# Altium PCB GN-1846-E-V2.PcbDoc (part 3 of 8)
Units mil, origin at the board's own origin, x right, y up, seen from the top; angles counter-clockwise.
Board outline 3750.16 x 2671.81 mil, 4 copper layers (TOP, GND, POWER, BOTTOM), stack 40.359 mil thick; 456 components, 457 nets, 2346 pads, 1495 vias.
Unrouted connection lines stored in the file: 4.
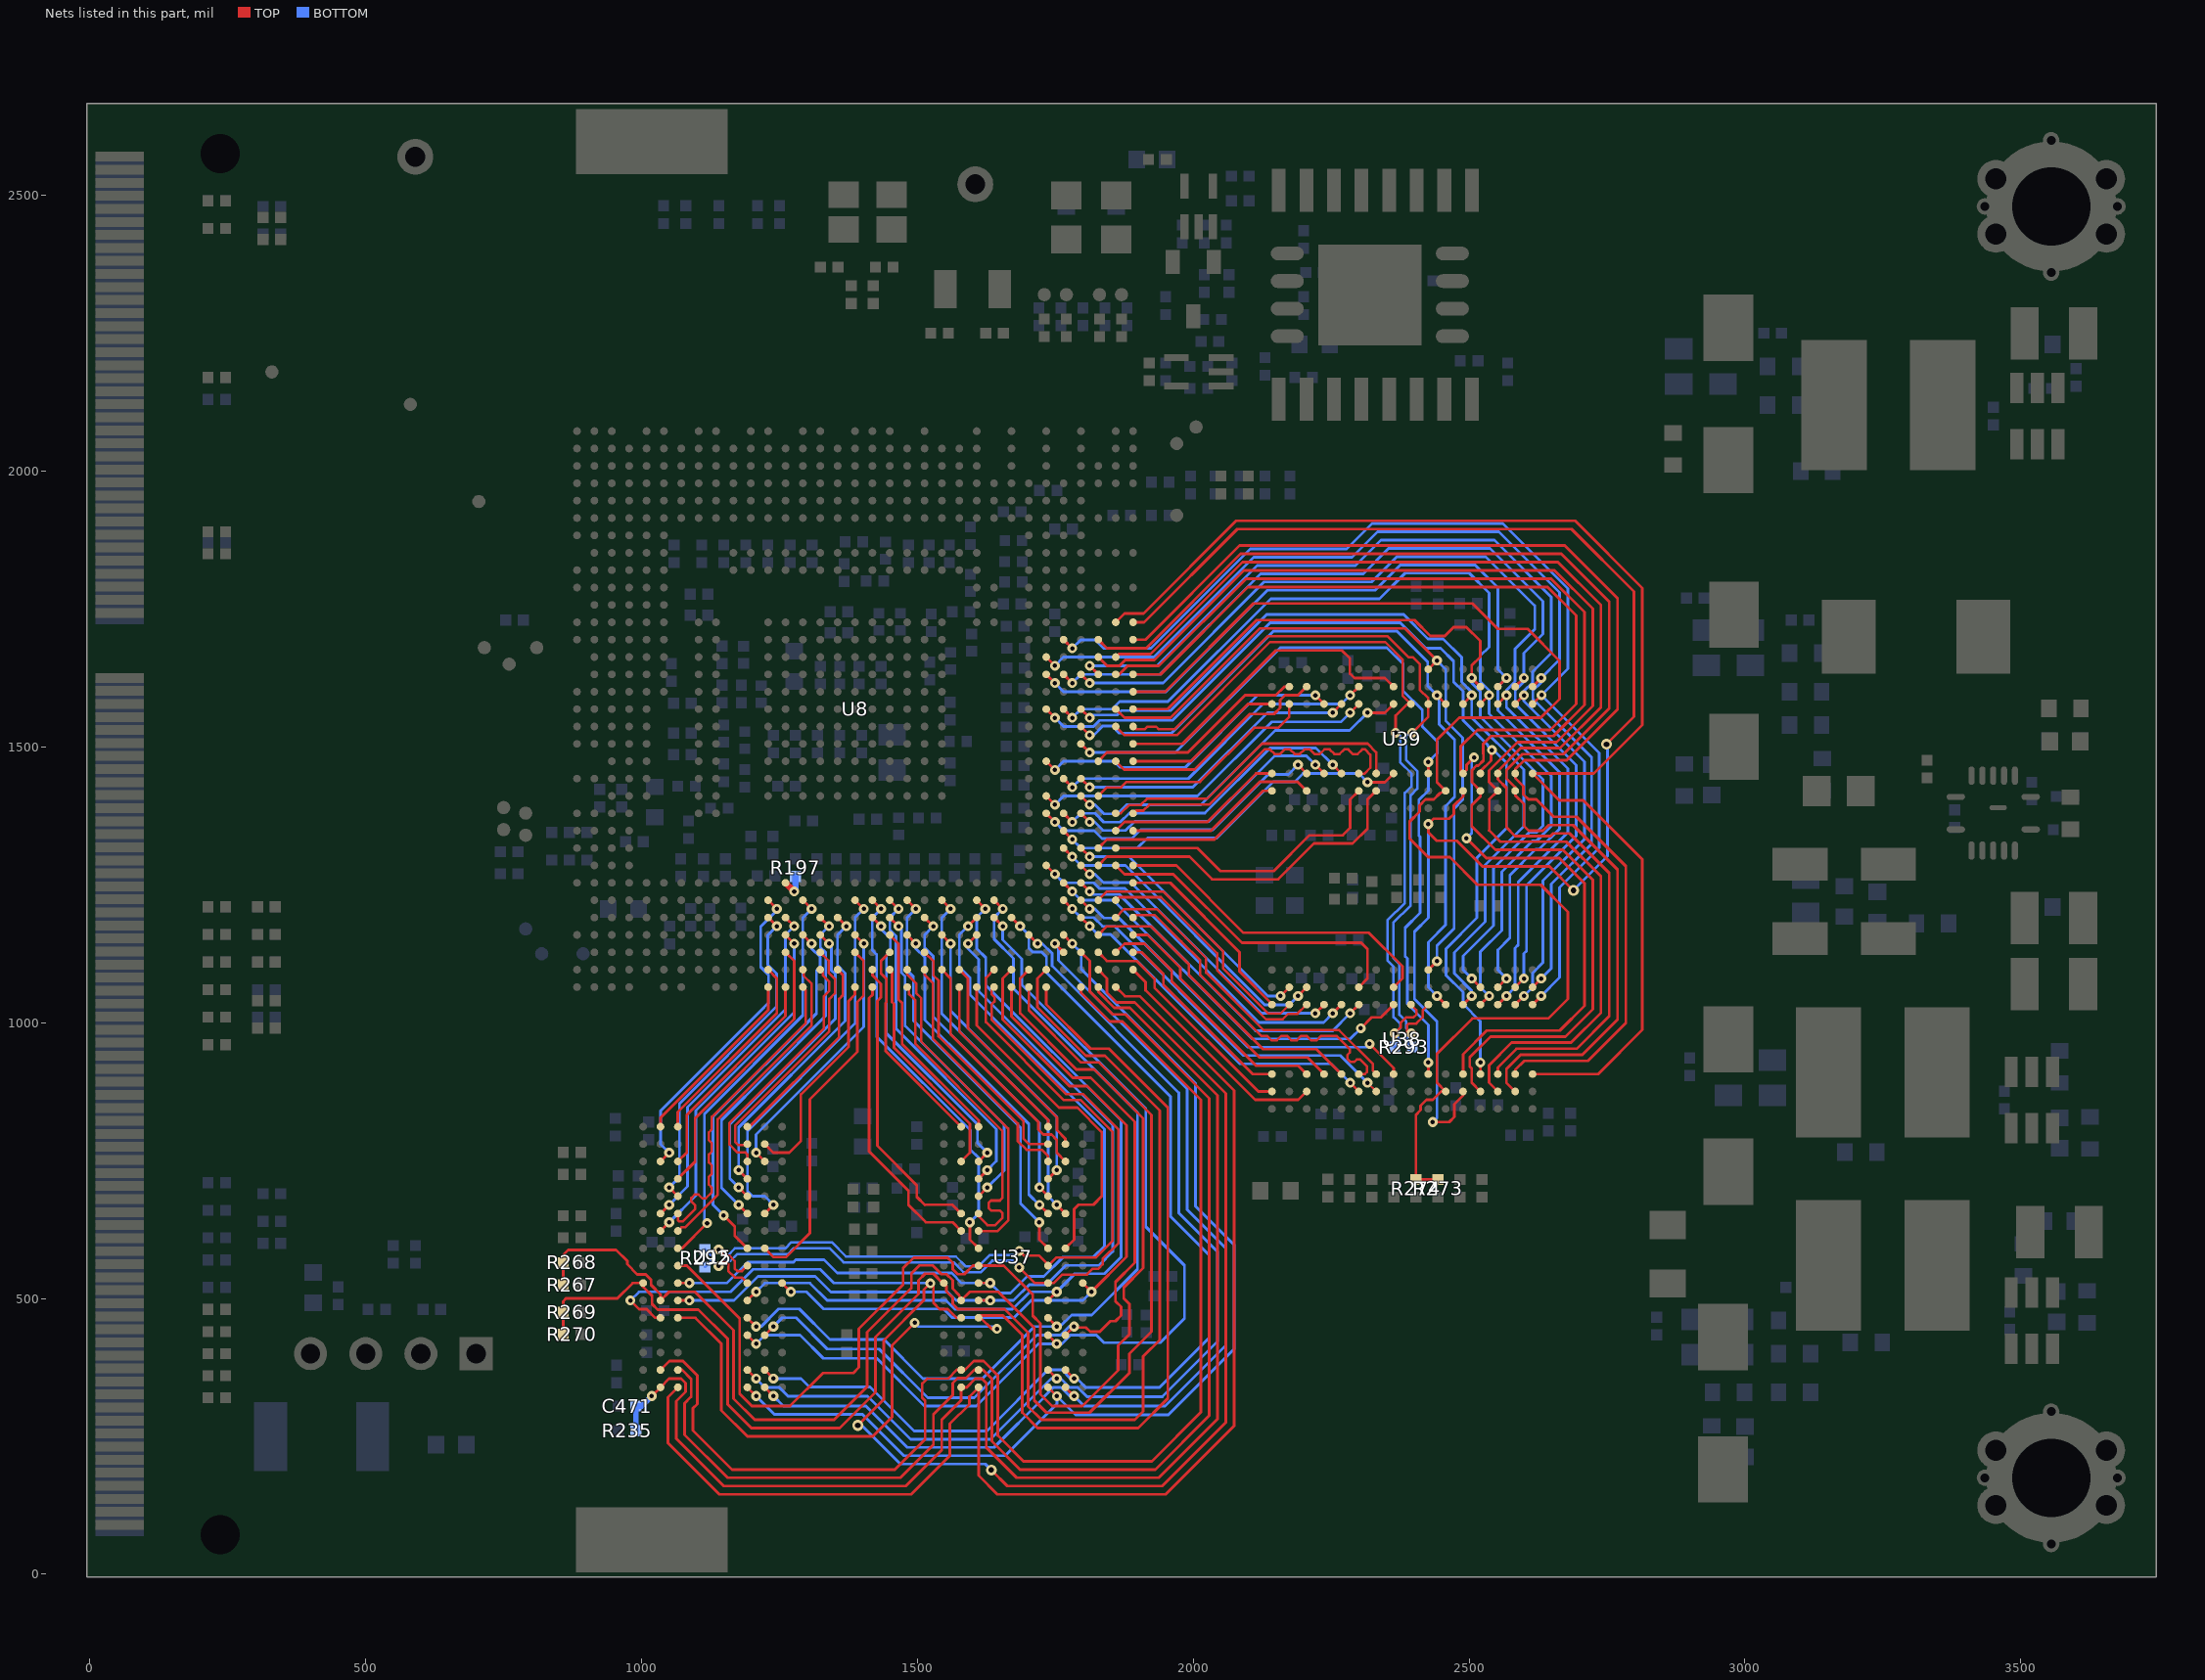
[diagram p5: the nets of this part, all layers, seen from the top]

## Via types
v1: diameter 18, hole 8, TOP to BOTTOM, 763 vias
v2: diameter 20, hole 10, TOP to BOTTOM, 451 vias
v3: diameter 16, hole 8, TOP to BOTTOM, 281 vias

## Nets (pads, with @x,y where several pads share a name; then routed paths per layer and width w, separated by ;. In a path a pad name is that pad's centre, name@x,y a point inside that pad or via, vN(x,y) a via of type N, cw(c..) or ccw(c..) an arc to the next point about the centre after c; other vN are vias at no path point) (continued)
DDR0_A6: U8.AF5 U15.R8 U37.R8 | length 1891.6
  TOP w5: U15.R8@1223.31,370.5 v1(1239.05,354.76) ; U8.AF5@1670.41,1190.6 v1(1686.15,1174.86) ; U37.R8@1768.31,370.5 v1(1784.05,354.76)
  BOTTOM w5: v1(1239.05,354.76) 1289.24,354.76 1304.28,339.72 1414.4,339.72 1494.12,260 1626.14,260 1736.58,370.44 1761.6,370.44 1777.28,354.76 v1(1784.05,354.76) 1789.23,354.76 1804.99,339 1939,339 1940.02,340.02 2029,428.78 2029,578.66 1959,648.66 1959,866 1734,1091 1734,1119 1725,1128 1724.08,1127.86 1711.22,1127.86 ; v1(1686.15,1174.86) 1702,1159.01 1702,1135 1709,1128 ; 1709,1128 1711.08,1128 1711.22,1127.86 ; 1709,1128 1711.22,1127.86
DDR0_A7: U8.AK1 U15.R2 U37.R2 | length 2334.9
  TOP w4: 1517.7,354.8 1555.85,355
  TOP w5: U15.R2@1034.33,370.5 1050.31,386.48 1074.82,386.48 1100.81,360.49 1100.81,308.81 1093,301 1093,261 1164,190 1459,190 1514,245 1514,315.02 1508.72,320.3 1508.72,345.73 1509.02,346.03 1517.7,354.8 ; 1555.85,355 1571.35,370.5 U37.R2@1579.33,370.5 1586.35,370.5 1602.33,386.48 1619.82,386.48 1645.81,360.49 1645.81,251.53 1692.34,205 1925.1,205 2014,293.9 2014,860 1872,1002 1849,1002 1796.4,1054.6 U8.AK1@1796.4,1064.61
DDR0_A8: U8.AJ3 U15.T8 U37.T8 | length 1886.9
  TOP w5: U15.T8@1223.31,339 v1(1239.05,323.26) ; v1(1749.16,1143.34) U8.AJ3@1764.9,1127.61 ; U37.T8@1768.31,339 v1(1784.05,323.26)
  BOTTOM w5: v1(1239.05,323.26) 1257.31,305 1406.68,305 1481.68,230 1639,230 1728.45,319.45 1728.45,320.54 1746.46,338.55 1759.48,338.55 1760.69,338.35 1775.78,323.26 v1(1784.05,323.26) 1802.13,305.18 1949.18,305.18 2059,415 2059,591.1 1989,661.1 1989,880 1755.75,1113.25 1755.75,1136.75 v1(1749.16,1143.34)
DDR0_A9: U8.AK3 U15.R3 U37.R3 | length 2377.2
  TOP w5: U15.R3@1065.83,370.5 1073.54,370.5 1089.83,354.21 1089.83,321.83 1078,310 1078,253 1156,175 1469,175 1529,235 1529,290.17 1563.83,325 1563.83,346.49 1572.82,355.48 1587.82,355.48 1602.84,370.5 U37.R3@1610.83,370.5 1618.54,370.5 1634.83,354.21 1634.83,241.29 1686.12,190 1931.32,190 2029,287.68 2029,862.99 1876.99,1015 1853.99,1015 1812.15,1056.84 1812.15,1111.86 U8.AK3@1796.4,1127.61
DDR0_A10: U8.AD6 U15.L7 U37.L7 | length 1539.6
  TOP w5: U15.L7@1191.81,496.48 v1(1207.57,512.22) ; U8.AD6@1607.42,1222.09 v1(1623.16,1206.35) ; U37.L7@1736.81,496.48 v1(1752.57,512.22)
  BOTTOM w5: v1(1207.57,512.22) 1223.33,527.98 1305.06,527.98 1336.46,496.58 1551.72,496.58 1567.81,480.49 1672.49,480.49 1704.22,512.22 v1(1752.57,512.22) 1785.35,545 1839,545 1869,575 1869,823 1624,1068 1624,1118.01 1607.68,1134.33 1607.68,1190.87 v1(1623.16,1206.35)
DDR0_A11: U8.AG4 U15.R7 U37.R7 | length 1911.6
  TOP w5: U15.R7@1191.81,370.5 v1(1207.57,354.74) ; U8.AG4@1701.91,1159.1 v1(1717.65,1143.36) ; U37.R7@1736.81,370.5 v1(1752.57,354.74)
  BOTTOM w5: v1(1207.57,354.74) 1223.29,339.02 1244.98,339.02 1245.04,338.96 1249.74,338.96 1265.7,323 1409.9,323 1487.9,245 1632.42,245 1742.16,354.74 v1(1752.57,354.74) 1760.3,354.74 1776.02,339.02 1789.98,339.02 ; v1(1717.65,1143.36) 1726.64,1143.36 1744,1126 1744,1103 1974,873 1974,654.88 2044,584.88 2044,422 1943.98,321.98 1807.54,321.98 1790.56,338.96 ; 1789.98,339.02 1790.56,338.96 ; 1789.98,339.02 1790.04,338.96 1790.56,338.96
DDR0_A12: U8.AE5 U15.N7 U37.N7 | length 1827.5
  TOP w5: U15.N7@1191.81,433.49 v1(1207.57,417.74) ; U8.AE5@1638.92,1190.6 v1(1654.66,1174.86) ; U37.N7@1736.81,433.49 v1(1752.57,417.74)
  BOTTOM w5: v1(1207.57,417.74) 1223.26,433.43 1245.56,433.43 1287.59,433.45 1329.56,391.48 1426.3,391.48 1512.78,305 1606.54,305 1719.28,417.74 v1(1752.57,417.74) 1761.74,417.74 1777.52,433.52 1824.52,433.52 1838.04,420 1940.34,420 1984,463.66 1984,560 1914,630 1914,844 1689,1069 1689,1115.85 1654.66,1150.19 v1(1654.66,1174.86)
DDR0_A13: U8.AM1 U15.T3 U37.T3 | length 2421.2
  TOP w5: U15.T3@1065.83,339 1048,321.17 1048,238 1141,145 1489,145 1559,215 1559,273 1594,308 1594,322.17 U37.T3@1610.83,339 1610.83,179.17 1645,145 1949.98,145 2074,269.02 2074,876.97 1902.97,1048 1876,1048 U8.AM1@1859.39,1064.61
DDR0_A14: U8.AJ4 U15.T7 U37.T7 | length 1951.4
  TOP w5: U15.T7@1191.81,339 v1(1207.57,323.24) ; U37.T7@1736.81,339 v1(1752.97,322.85) ; U8.AJ4@1764.9,1159.1 v1(1780.64,1143.36)
  BOTTOM w5: v1(1207.57,323.24) 1240.81,290 1400.46,290 1475.46,215 1659,215 1752.97,308.97 v1(1752.97,322.85) 1786.69,289.13 1954.87,289.13 2074,408.26 2074,597.32 2004,667.32 2004,890 1797,1097 1797,1127 v1(1780.64,1143.36)
DDR0_A15: U8.AE6 U15.M7 U37.M7 | length 1673.3
  TOP w5: U15.M7@1191.81,464.98 v1(1207.57,449.24) ; U8.AE6@1638.92,1222.09 v1(1654.66,1206.35) ; U37.M7@1736.81,464.98 v1(1752.57,449.24)
  BOTTOM w5: v1(1207.57,449.24) 1216.74,449.24 1248.52,481.02 1286.02,481.02 1341.56,425.48 1439.52,425.48 1510.2,354.8 1617.8,354.8 1712.24,449.24 v1(1752.57,449.24) 1758.58,449.24 1779.34,470 1815.98,470 1899,553.02 1899,837 1674,1062 1674,1116.7 1639,1151.7 1639,1190.69 v1(1654.66,1206.35)
DDR0_BA0: U8.AL2 U15.M2 U37.M2 | length 2753
  TOP w5: v1(979.83,496.49) 995.59,480.73 1009.27,480.73 1025.02,464.98 U15.M2@1034.33,464.98 ; v2(1392,270) 1439,317 1439,424 1511.98,496.98 1511.98,516.13 v1(1523.49,527.64) 1524,527.64 1529,522.64 1529,492 1540.27,480.73 1555.27,480.73 1571.02,464.98 U37.M2@1579.33,464.98 ; v2(1634,189) 1663,160 1943.76,160 2059,275.24 2059,871.99 1893.99,1037 1861.14,1037 1843.64,1054.5 1843.64,1080.36 U8.AL2@1827.89,1096.11
  BOTTOM w5: v1(979.83,496.49) 995.34,512 1080.33,512.18 1093.35,512.18 1161,512 1202.02,553.02 1324.02,553.02 1349.06,527.98 v1(1523.49,527.64) ; v2(1392,270) 1399.24,270 1469.24,200 1623,200 v2(1634,189)
DDR0_BA1: U8.AF1 U15.N8 U37.N8 | length 1536.3
  TOP w5: U15.N8@1223.31,433.49 v1(1239.07,449.24) ; U8.AF1@1670.41,1064.61 1670.41,1011.52 1781.93,900 1814.21,900 1894,820.21 1894,565 1859,530 1859,495 1869,485 1869,469 1859,459 1849.59,459 1830.59,440 1813.09,440 1805.6,447.49 1785.79,447.49 v1(1784,449.23) ; U37.N8@1768.31,433.49 v1(1784,449.23) ; v1(1784,449.23) v1(1784,449.23)
  BOTTOM w5: v1(1239.07,449.24) 1254.85,465.02 1280.02,465.02 1336.56,408.48 1430.52,408.48 1519,320 1603,320 1716.52,433.52 1759.52,433.52 1775.23,449.23 v1(1784,449.23) v1(1784,449.23)
DDR0_BA2: U8.AH1 U15.M3 U37.M3 | length 2336.3
  TOP w5: U15.M3@1065.83,464.98 1097.83,464.98 1144.81,418 1144.81,297.19 1192,250 1419,250 1454,285 1454,414.95 v1(1495,456) v1(1495,456) ; v1(1644,445) 1634.58,445 1614.6,464.98 U37.M3@1610.83,464.98 1614.83,468.98 1655,468.98 1689.81,434.17 1689.81,293.19 1718,265 1900.22,265 1954,318.78 1954,846.01 1847.01,953 1813.84,953 1733.39,1033.45 U8.AH1@1733.41,1064.61
  BOTTOM w5: v1(1495,456) 1501.72,449.28 1639.72,449.28 v1(1644,445)
DDR0_CAS_N: U8.AD5 U15.K3 U37.K3 | length 1589.3
  TOP w5: U15.K3@1065.83,527.98 v1(1086.84,527.98) ; v1(1591.67,1174.86) U8.AD5@1607.42,1190.6 ; U37.K3@1610.83,527.98 v1(1631.84,527.98)
  BOTTOM w5: v1(1086.84,527.98) 1154.18,527.98 1192.22,566.02 1275.42,566.02 1279.42,570.02 1331.02,570.02 1355.02,546.02 1562.02,546.02 1580.06,527.98 v1(1631.84,527.98) 1649.82,510 1669,510 1699,540 1729,540 1764,575 1819,575 1839,595 1839,807 1595,1051 1595,1082 1575.92,1101.08 1575.92,1159.11 v1(1591.67,1174.86)
DDR0_CKE: U8.AF2 U15.K9 U37.K9 | length 1356.8
  TOP w5: U15.K9@1254.8,527.98 v1(1270.55,512.24) ; U8.AF2@1670.41,1096.11 1654.67,1080.37 1654.67,1006.04 1775.71,885 1807.99,885 1879,813.99 1879,575.69 v1(1815.55,512.24) U37.K9@1799.8,527.98
  BOTTOM w5: v1(1270.55,512.24) 1298.8,512.24 1329.93,481.11 1547.19,481.11 1562.82,465.48 1675.48,465.48 1706.43,496.43 1799.74,496.43 v1(1815.55,512.24)
DDR0_CLK0_N: R292.2 U8.AE1 U15.K7 U37.K7 | length 1513.6
  TOP w4.5: v1(1139.58,558.72) 1147.34,566.48 1154.06,566.48 1157.33,563.21 1157.33,549.71 1169.06,537.98 1181.81,537.98 U15.K7@1191.81,527.98 ; U8.AE1@1638.92,1064.61 1634.5,1060.19 1634.5,1051.5 1639.56,1046.44 1639.56,1038.56 1634.5,1033.5 1634.5,1005.35 1769.6,870.25 1800.6,870.25 1864.5,806.35 1864.5,600.49 1835.82,571.81 1835.82,561.83 1828.08,554.09 1818.1,554.09 1807.49,543.48 1762.47,543.48 1746.97,527.98 U37.K7@1736.81,527.98 1712.82,527.98 v1(1684.58,556.22)
  BOTTOM w4.5: R292.2@1115.02,557.02 1126.02,568.02 1130.28,568.02 v1(1139.58,558.72) 1148.93,568.07 1160.96,568.07 1173.27,580.38 1264.97,580.38 1276.07,591.48 1340.27,591.48 1366.23,565.52 1565.53,565.52 1583.17,547.88 1615.17,547.88 1635.77,568.48 1672.32,568.48 v1(1684.58,556.22)
DDR0_CLK0_P: R292.1 U8.AE2 U15.J7 U37.J7 | length 1513.3
  TOP w4.5: v1(1139.58,588.72) 1150.32,577.98 1158.83,577.98 1168.83,567.98 1168.83,554.48 1173.83,549.48 1181.82,549.48 U15.J7@1191.81,559.47 ; U8.AE2@1638.92,1096.11 1624,1081.19 1624,1001 1765.25,859.75 1796.25,859.75 1854,802 1854,604.84 1823.64,574.48 1751.8,574.48 U37.J7@1736.81,559.47 1736.8,561.2 1719.98,578.02 1692.78,578.02 v1(1684.58,586.22)
  BOTTOM w4.5: R292.1@1115.02,589.02 1125.52,578.52 1129.38,578.52 v1(1139.58,588.72) 1149.73,578.57 1156.61,578.57 1168.92,590.88 1260.62,590.88 1271.72,601.98 1344.62,601.98 1370.58,576.02 1569.88,576.02 1587.52,558.38 1610.82,558.38 1631.42,578.98 1677.34,578.98 v1(1684.58,586.22)
DDR0_CS_N: R267.1 R268.2 U8.AG1 U15.L2 U37.L2 | length 2571.1
  TOP w4: 1050.08,512.23 1096.81,512.23
  TOP w5: R267.1@858,525 R268.2@858,565 858,579 867,588 954,588 974,568 974,562 992.28,543.72 1007.61,543.72 1017.34,533.99 1017.34,524.46 1034.33,507.47 U15.L2@1034.33,496.48 1050.08,512.23 ; 1096.81,512.23 1166.81,442.23 1166.81,318.41 1205.22,280 1349,280 1409,340 1409,438.96 1489,518.96 1489,545 1504,560 1527.51,560 1543.49,544.02 1552.79,544.02 1563.83,532.98 1563.83,517.98 1574.91,506.9 U37.L2@1579.33,496.48 1595.08,512.23 1646.77,512.23 1711.81,447.19 1711.81,315.18 1733.97,293.02 1812.02,293.02 1884,365 1884,400 1924,440 1924,833.01 1829.01,928 1796.37,928 1701.91,1022.46 U8.AG1@1701.91,1064.61
DDR0_DM0: U8.R4 U15.E7 | length 577.1
  TOP w5: v1(1176.08,701.21) U15.E7@1191.81,685.46 ; U8.R4@1323.96,1159.1 v1(1339.7,1143.36)
  BOTTOM w5: v1(1176.08,701.21) 1160.02,717.27 1160.02,816.16 1202.63,858.76 1351,1007.13 1351,1088.3 1344.3,1095 1344.3,1138.76 v1(1339.7,1143.36)
DDR0_DM1: U8.N3 U15.D3 | length 504.5
  TOP w5: U15.D3@1065.83,716.95 1097.02,748.13 1097.02,826.81 1276.72,1006.51 1276.72,1111.86 U8.N3@1260.97,1127.61
DDR0_DM2: U8.AA5 U37.E7 | length 610.7
  TOP w5: U8.AA5@1512.93,1190.6 v1(1528.67,1174.86) ; v1(1721.08,701.21) U37.E7@1736.81,685.46
  BOTTOM w5: v1(1528.67,1174.86) 1513.17,1159.36 1513.17,1136.13 1528.6,1120.7 1528.6,1010.92 1721.08,818.44 v1(1721.08,701.21)
DDR0_DM3: U8.W6 U37.D3 | length 611.4
  TOP w5: U8.W6@1449.94,1222.09 v1(1465.68,1206.35) ; U37.D3@1610.83,716.95 v1(1626.59,732.69)
  BOTTOM w5: v1(1465.68,1206.35) 1449.98,1190.65 1449.98,1168.17 1460.98,1157.17 1460.98,989.32 1643,807.3 1643,749.1 v1(1626.59,732.69)
DDR0_DQ0: U8.M5 U15.E3 | length 612.2
  TOP w5: v1(1050.1,701.21) U15.E3@1065.83,685.46 ; U8.M5@1229.47,1190.6 v1(1245.21,1174.86)
  BOTTOM w5: v1(1050.1,701.21) 1068.62,719.73 1068.62,853.3 1245,1029.68 1245,1089 1229,1105 1229,1158.65 v1(1245.21,1174.86)
DDR0_DQ1: U8.R5 U15.F7 | length 651.6
  TOP w5: v1(1176.06,669.71) U15.F7@1191.81,653.96 ; U8.R5@1323.96,1190.6 v1(1339.7,1174.86)
  BOTTOM w5: v1(1176.06,669.71) 1144.88,700.89 1144.88,823.46 1231.65,910.22 1334,1012.57 1334,1126.7 1324,1136.7 1324,1159.16 v1(1339.7,1174.86)
DDR0_DQ2: U8.N5 U15.F2 | length 643.6
  TOP w5: U15.F2@1034.33,653.96 v1(1050.08,669.69) ; U8.N5@1260.97,1190.6 v1(1276.7,1174.86)
  BOTTOM w5: v1(1050.08,669.69) 1083.62,703.23 1083.62,847.08 1261,1024.46 1261,1159.16 v1(1276.7,1174.86)
DDR0_DQ3: U8.U6 U15.F8 | length 701
  TOP w5: U15.F8@1223.31,653.96 v1(1239.06,669.71) ; U8.U6@1386.95,1222.09 v1(1402.69,1206.35)
  BOTTOM w5: v1(1239.06,669.71) 1223.26,685.51 1201.06,685.51 1191.87,694.7 1191.87,803.79 1386.98,998.9 1386.98,1190.64 v1(1402.69,1206.35)
DDR0_DQ4: U8.P6 U15.H3 | length 746.6
  TOP w5: U15.H3@1065.83,590.97 1073.31,590.97 v1(1118.82,636.48) ; U8.P6@1292.46,1222.09 v1(1308.2,1206.35)
  BOTTOM w5: v1(1118.82,636.48) 1113.82,641.48 1113.82,834.84 1292.2,1013.22 1292.2,1190.35 v1(1308.2,1206.35)
DDR0_DQ5: U8.U3 U15.H8 | length 662.1
  TOP w5: U15.H8@1223.31,590.97 1239.3,574.98 1261.32,574.98 1305.02,618.68 1305.02,861.02 1391,947 1391,1037.64 1402.36,1049 1402.36,1112.2 U8.U3@1386.95,1127.61
DDR0_DQ6: U8.N4 U15.G2 | length 643.6
  TOP w5: U15.G2@1034.33,622.46 v1(1050.08,638.19) ; U8.N4@1260.97,1159.1 v1(1276.7,1143.36)
  BOTTOM w5: v1(1050.08,638.19) 1098.62,686.73 1098.62,840.86 1276.7,1018.94 v1(1276.7,1143.36)
DDR0_DQ7: U8.P4 U15.H7 | length 687.5
  TOP w5: v1(1148.82,650.48) 1168.82,630.48 1168.82,613.97 U15.H7@1191.81,590.97 ; U8.P4@1292.46,1159.1 v1(1308.2,1143.36)
  BOTTOM w5: v1(1148.82,650.48) 1129.32,669.98 1129.32,829.12 1317,1016.8 1317,1094.3 1323.7,1101 1323.7,1119.1 1308.2,1134.6 v1(1308.2,1143.36)
DDR0_DQ8: U8.T5 U15.D7 | length 579
  TOP w5: v1(1176.06,732.7) U15.D7@1191.81,716.95 ; U8.T5@1355.45,1190.6 v1(1371.19,1174.86)
  BOTTOM w5: v1(1176.06,732.7) 1176.06,810.06 1369,1003 1369,1090 1355.2,1103.8 1355.2,1158.87 v1(1371.19,1174.86)
DDR0_DQ9: U8.N1 U15.C3 | length 397
  TOP w5: U15.C3@1065.83,748.45 1082.02,764.64 1082.02,833.03 1260.97,1011.98 U8.N1@1260.97,1064.61
DDR0_DQ10: U8.U4 U15.C8 | length 504.5
  TOP w5: v1(1207.57,764.2) U15.C8@1223.31,748.45 ; U8.U4@1386.95,1159.1 v1(1402.69,1143.36)
  BOTTOM w5: v1(1207.57,764.2) 1207.57,797.57 1402.69,992.69 v1(1402.69,1143.36)
DDR0_DQ11: U8.M6 U15.C2 | length 592.1
  TOP w5: U15.C2@1034.33,748.45 v1(1050.08,764.18) ; U8.M6@1229.47,1222.09 v1(1245.21,1206.35)
  BOTTOM w5: v1(1050.08,764.18) 1034.4,779.86 1034.4,840.3 1216,1021.91 1230,1035.91 1230,1087 1216,1101 1216,1174.4 1245.21,1203.7 v1(1245.21,1206.35)
DDR0_DQ12: U8.T2 U15.A7 | length 362.5
  TOP w5: U15.A7@1191.81,811.44 1195.44,811.44 1358,974 1358,1043 1365,1050 1365,1086.56 U8.T2@1355.45,1096.11
DDR0_DQ13: U8.M1 U15.A2 | length 334
  TOP w5: U15.A2@1034.33,811.44 1034.33,827.78 1229.47,1022.92 U8.M1@1229.47,1064.61
DDR0_DQ14: U8.U1 U15.B8 | length 400.4
  TOP w5: U15.B8@1223.31,779.94 1238.82,764.43 1267.77,764.43 1288.82,785.48 1288.82,869.83 1375,956.01 1375,1039 1386.95,1050.95 U8.U1@1386.95,1064.61
DDR0_DQ15: U8.M2 U15.A3 | length 365.5
  TOP w5: U15.A3@1065.83,811.44 1065.83,838.06 1245.22,1017.45 1245.22,1080.36 U8.M2@1229.47,1096.11
DDR0_DQ16: U8.W5 U37.E3 | length 610
  TOP w5: U8.W5@1449.94,1190.6 v1(1465.68,1174.86) ; U37.E3@1610.83,685.46 v1(1626.57,701.2)
  BOTTOM w5: v1(1465.68,1174.86) 1470.98,1169.56 1470.98,1090.85 1477.74,1084.09 1477.74,994.3 1657.02,815.02 1657.02,731.65 v1(1626.57,701.2)
DDR0_DQ17: U8.Y4 U37.F7 | length 610.9
  TOP w5: U8.Y4@1481.44,1159.1 v1(1497.18,1143.36) ; v1(1721.08,669.71) U37.F7@1736.81,653.96
  BOTTOM w5: v1(1497.18,1143.36) 1497.18,1134.52 1513.4,1118.3 1513.4,1004.88 1598.18,920.1 1702.02,816.27 1702.02,688.77 v1(1721.08,669.71)
DDR0_DQ18: U8.V2 U37.F2 | length 543.6
  TOP w4.5: 1513.28,669.72 1563.57,669.72
  TOP w5: U8.V2@1418.45,1096.11 1418.45,1085.91 1433.86,1070.5 1433.86,1046 1427.36,1039.5 1427.36,776.64 1498.82,705.18 1498.82,684.18 1513.28,669.72 ; 1563.57,669.72 U37.F2@1579.33,653.96
DDR0_DQ19: U8.AB6 U37.F8 | length 674.1
  TOP w5: U8.AB6@1544.43,1222.09 v1(1560.17,1206.35) ; v1(1752.58,669.71) U37.F8@1768.31,653.96
  BOTTOM w5: v1(1560.17,1206.35) 1544.17,1190.35 1544.17,1016.57 1736.85,823.89 1736.85,685.44 v1(1752.58,669.71)
DDR0_DQ20: U8.V6 U37.H3 | length 737.1
  TOP w5: U8.V6@1418.45,1222.09 v1(1434.18,1206.35) ; v1(1595.09,638.21) 1595.09,606.71 U37.H3@1610.83,590.97
  BOTTOM w5: v1(1434.18,1206.35) 1418.19,1190.36 1418.19,1131.79 1426.02,1123.96 1426.02,975.02 1596.02,805.02 1596.02,770.02 1610.89,755.15 1610.89,654.01 v1(1595.09,638.21)
DDR0_DQ21: U8.AD1 U37.H8 | length 630
  TOP w5: U8.AD1@1607.42,1064.61 1607.42,995.24 1756.66,846 1789.99,846 1834,801.99 1834,685 1819.02,670.02 1792.02,670.02 1784,662 1784,606.66 U37.H8@1768.31,590.97
DDR0_DQ22: U8.V1 U37.G2 | length 542.1
  TOP w4.5: 1515.32,638.22 1563.57,638.22
  TOP w5: U8.V1@1418.45,1064.61 1418.45,1050.59 1412.36,1044.5 1412.36,766.64 1483.82,695.18 1483.82,669.72 1515.32,638.22 ; 1563.57,638.22 U37.G2@1579.33,622.46
DDR0_DQ23: U8.Y6 U37.H7 | length 750.2
  TOP w5: U8.Y6@1481.44,1222.09 v1(1497.18,1206.35) ; v1(1721.04,638.2) 1721.04,606.74 U37.H7@1736.81,590.97
  BOTTOM w5: v1(1497.18,1206.35) 1481.18,1190.35 1481.18,1094.8 1492.74,1083.24 1492.74,1003.74 1687.02,809.46 1687.02,672.22 v1(1721.04,638.2)
DDR0_DQ24: U8.AB4 U37.D7 | length 534.9
  TOP w5: U8.AB4@1544.43,1159.1 v1(1560.17,1143.36) ; U37.D7@1736.81,716.95 v1(1752.55,732.69)
  BOTTOM w5: v1(1560.17,1143.36) 1560.17,1021.79 1752.55,829.41 v1(1752.55,732.69)
DDR0_DQ25: U8.V5 U37.C3 | length 540.7
  TOP w5: U8.V5@1418.45,1190.6 v1(1434.18,1174.86) ; U37.C3@1610.83,748.45 v1(1626.58,764.19)
  BOTTOM w5: v1(1434.18,1174.86) 1434.18,1169.82 1450.98,1153.02 1450.98,1128.98 1444,1122 1444,980.5 1609,815.5 1609,781.77 v1(1626.58,764.19)
DDR0_DQ26: U8.AB2 U37.C8 | length 449.2
  TOP w5: U8.AB2@1544.43,1096.11 1560.01,1080.53 1560.01,978.99 1719.02,819.98 1719.02,806.02 1728.02,797.02 1743.02,797.02 1752.59,787.45 1752.59,764.19 U37.C8@1768.31,748.45
DDR0_DQ27: U8.W2 U37.C2 | length 414.3
  TOP w5: U8.W2@1449.94,1096.11 1454,1092.05 1454,1037.36 1457.36,1034 1457.36,954.68 1595.09,816.95 1595.09,764.17 U37.C2@1579.33,748.45
DDR0_DQ28: U8.AC1 U37.A7 | length 319.8
  TOP w5: U8.AC1@1575.93,1064.61 1575.92,1025 1575.92,984.3 1736.81,823.41 U37.A7@1736.81,811.44
DDR0_DQ29: U8.W3 U37.A2 | length 384
  TOP w5: U8.W3@1449.94,1127.61 1434.2,1111.87 1434.2,1089.16 1443.86,1079.5 1443.86,1037.5 1442.36,1036 1442.36,948.41 U37.A2@1579.33,811.44
DDR0_DQ30: U8.AC2 U37.B8 | length 395.9
  TOP w5: U8.AC2@1575.93,1096.11 1591.68,1080.36 1591.68,989.76 1752.92,828.52 1752.92,805.12 1768.31,789.73 U37.B8@1768.31,779.94
DDR0_DQ31: U8.W4 U37.A3 | length 414.3
  TOP w5: U8.W4@1449.94,1159.1 1465.69,1143.35 1465.69,1042.31 1472.36,1035.64 1472.36,961.68 1610.83,823.21 U37.A3@1610.83,811.44
DDR0_DQS0_N: U8.P2 U15.G3 | length 584.4
  TOP w4.5: U15.G3@1065.83,622.46 1072.35,628.98 1078.67,628.98 1138.12,688.43 1138.12,825.12 1308.39,995.39 1308.39,1070.6 1294,1084.99 1294,1094.57 U8.P2@1292.46,1096.11
DDR0_DQS0_P: U8.P1 U15.F3 | length 583.1
  TOP w4.5: U15.F3@1065.83,653.96 1065.83,641.65 1068,639.48 1074.32,639.48 1097.32,662.48 1097.32,668.84 1090.26,675.9 1090.26,682.26 1096.63,688.63 1102.99,688.63 1110.05,681.57 1116.41,681.57 1127.62,692.78 1127.62,700.73 1122,706.35 1122,720.85 1127.62,726.47 1127.62,740.97 1122,746.59 1122,761.09 1127.62,766.71 1127.62,781.21 1122,786.83 1122,801.33 1127.62,806.95 1127.62,829.47 1297.89,999.74 1297.89,1059.18 U8.P1@1292.46,1064.61
DDR0_DQS1_N: U8.R3 U15.B7 | length 454.9
  TOP w4.5: U15.B7@1191.81,779.94 1189.87,778 1175.34,778 1169.92,783.42 1169.92,814.07 1340.5,984.65 1340.5,1043.15 1350.5,1053.15 1350.5,1079 1339,1090.5 1339,1112.57 U8.R3@1323.96,1127.61